# KiCad board Soldermander.kicad_pcb (continued)
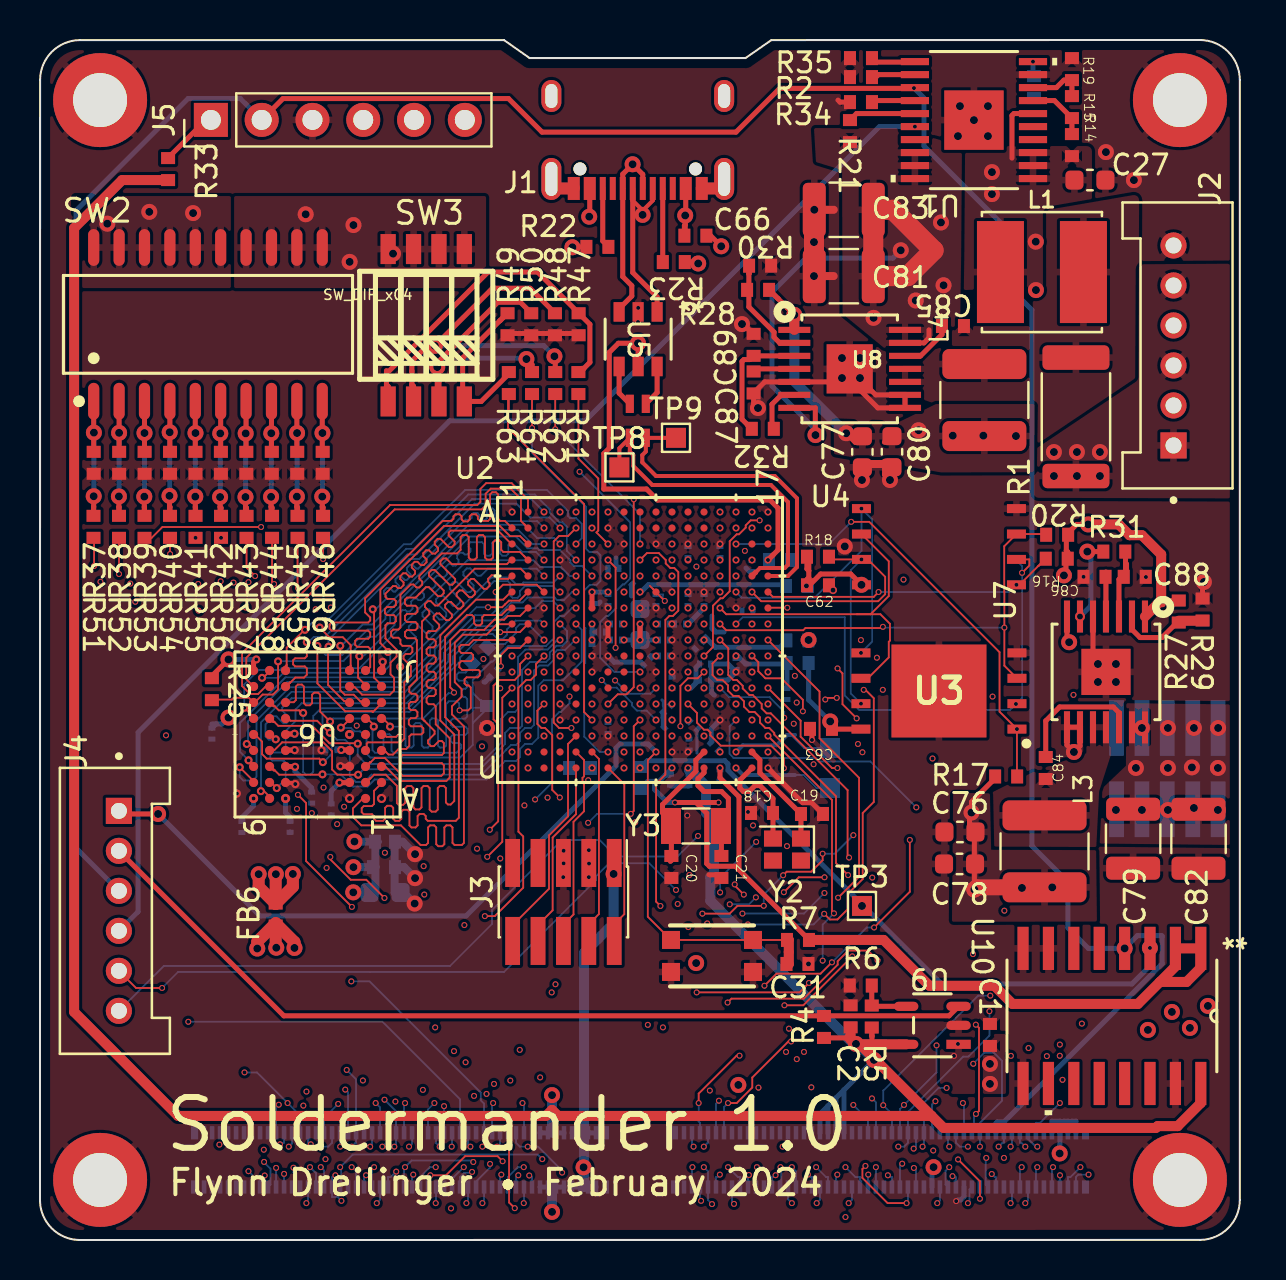
[diagram p0: board, top side]
## Routing (per net, layer and track width the routed paths; a pad name or vN(x,y) marks a point on that pad's centre or on a via; arc(x,y) is an arc through that point) (continued)
EN_LP: length 45.6
  Top w0.25: 39.2,11.21 R4.2 ; 39.2,11.21 45.46,11.21 U9.3 ; 39.2,11.21 12.2,11.21 J4.2
ENET_RGMII_MDC: length 27.4
  In1.Cu w0.09: v1(11.24,3.23) 11.13,3.23 10.84,3.51 10.84,4.8 13.01,6.96 13.01,7.61 20.86,15.46 21.34,15.46 21.96,16.08 21.96,16.53 24.51,19.08 24.51,21.85 24.41,21.96 v1(24.41,23.61)
  Bottom w0.09: J7.85 11.01,3.15 11.16,3.15 v1(11.24,3.23)
ENET_RGMII_MDIO: length 29.3
  In1.Cu w0.09: v1(10.43,3.44) 10.43,5.68 20.5,15.75 v1(21.22,15.75)
  In2.Cu w0.09: v1(25.21,25.21) 25.21,23.99 22.39,21.17 22.22,21.17 21.22,20.17 v1(21.22,15.75)
  Bottom w0.09: v1(10.43,3.44) 10.61,3.26 J7.87
ENET_RGMII_RX_EN: length 33.1
  In2.Cu w0.09: v1(24.13,6.85) 24.14,6.85 27.95,10.67 27.95,23.28 28.72,24.05 28.72,27.54 29.99,28.81 32.44,28.81 32.91,29.28 32.91,32.91 v1(33.21,33.21)
  Bottom w0.09: v1(24.13,6.85) 24.21,6.77 J7.20
ENET_RGMII_RXC: length 80.8
  Top w0.09: v1(33.21,34.01) U2.D13
  In1.Cu w0.09: v1(33.21,34.01) 33.61,34.41 34.05,34.41 34.41,34.76 34.41,34.85 34.78,35.23 44.19,35.23 53.21,26.21 53.21,17.42 53.57,17.05 53.57,2.8 51.43,0.65 28.83,0.65 v1(26.11,3.37)
  Bottom w0.09: v1(26.11,3.37) 26.11,3.46 24.91,4.67 v1(24.39,4.67) 24,4.67 23.81,4.86 J7.22
ENET_RGMII_RXD0: length 84.7
  Top w0.09: v1(23.74,1.59) 23.46,1.88 v1(23.46,4.67) ; v1(31.61,34.01) U2.D11
  In1.Cu w0.09: v1(4.52,32.83) 4.52,34.93 5.78,36.19 5.78,37.29 6.62,38.13 29.01,38.13 31.89,35.25 31.89,34.29 v1(31.61,34.01) ; v1(8.97,4.77) 8.97,4.2 12.11,1.07 23.21,1.07 v1(23.74,1.59)
  In2.Cu w0.09: v1(4.52,32.83) 6.84,30.51 6.84,6.91 v1(8.97,4.77)
  Bottom w0.09: v1(23.46,4.67) 23.41,4.72 J7.24
ENET_RGMII_RXD1: length 33
  In2.Cu w0.09: v1(22.86,4.67) 22.86,5.9 23.48,6.52 23.48,7.22 26.96,10.7 26.96,24 27.89,24.94 27.89,27.39 28.38,27.88 28.38,28.01 28.84,28.47 28.93,28.47 30.5,30.04 30.5,32.1 v1(31.61,33.21)
  Bottom w0.09: v1(22.86,4.67) 23.01,4.82 J7.26
ENET_RGMII_RXD2: length 31.3
  In1.Cu w0.09: v1(22.66,6.85) 22.7,6.89 v1(22.7,7.8)
  In2.Cu w0.09: v1(30.81,33.21) 30.3,32.7 30.3,30.67 30.05,30.42 29.97,30.42 29.61,30.05 29.61,29.93 27.33,27.66 27.33,27.54 26.33,26.54 26.33,25.92 26.28,25.87 26.28,25.34 26.34,25.28 26.34,24.27 23.32,21.24 23.32,19.91 22.72,19.31 22.72,7.82 v1(22.7,7.8)
  Bottom w0.09: v1(22.66,6.85) 22.61,6.79 J7.28
ENET_RGMII_RXD3: length 67.6
  Top w0.09: v1(31.61,34.81) U2.C11
  In1.Cu w0.09: v1(4.76,31.92) 4.8,31.96 4.8,34.34 7.1,36.64 7.1,37.27 7.78,37.95 28.38,37.95 31.52,34.81 v1(31.61,34.81) ; v1(6.3,25.24) 6.3,25.1 10.86,20.54 11.17,20.54 13.18,18.53 13.18,18.16 15.57,15.77 v1(15.57,12.93)
  In2.Cu w0.09: v1(6.3,25.24) 4.76,26.78 v1(4.76,31.92)
  Bottom w0.09: v1(22.12,4.67) 22.21,4.75 J7.30 22.21,6.82 22.05,6.98 22.05,7.37 16.48,12.93 v1(15.57,12.93)
ENET_RGMII_TX_EN_BT: length 67.2
  Top w0.09: v1(34.01,35.61) U2.B14
  In1.Cu w0.09: v1(13.17,6.72) 14.34,5.55 19.11,5.55 v1(19.99,4.67) ; v1(7.78,35.12) 7.78,34.2 v1(9.04,32.94)
  In2.Cu w0.09: v1(7.78,35.12) 8.14,34.76 24.61,34.76 24.94,35.09 33.49,35.09 v1(34.01,35.61) ; v1(13.17,6.72) 12.88,6.43 11.77,6.43 8.85,9.35 8.85,32.76 v1(9.04,32.94)
  Bottom w0.09: J7.42 19.81,4.85 v1(19.99,4.67)
ENET_RGMII_TXC_BT: length 70.9
  Top w0.09: v1(34.01,36.41) U2.A14
  In1.Cu w0.09: v1(7.93,31.47) 8,31.47 9.39,32.87 9.39,34.78 v1(9.05,35.12)
  In2.Cu w0.09: v1(9.05,35.12) 10.04,36.11 33.71,36.11 v1(34.01,36.41) ; v1(19.72,6.85) 18.15,5.28 18.15,4.4 16.66,2.91 13.78,2.91 12.65,4.05 12.07,4.05 7.93,8.18 v1(7.93,31.47)
  Bottom w0.09: v1(19.72,6.85) 19.41,6.53 J7.44
ENET_RGMII_TXD0_BT: length 65.1
  Top w0.09: v1(33.21,34.81) U2.C13 ; v1(6.51,34.31) 6.5,34.31 R54.2
  In1.Cu w0.09: v1(19.22,17.28) 19.03,17.46 16.91,17.46 16.36,18.02 14.25,18.02 10.19,22.07 10.19,22.51 6.51,26.2 v1(6.51,34.31) ; v1(19.15,7.51) 19.47,7.51 20.21,6.77 v1(20.21,6.7)
  In2.Cu w0.09: v1(6.51,34.31) 6.67,34.47 32.87,34.47 v1(33.21,34.81) ; v1(19.22,17.28) 19.27,17.22 19.27,7.63 v1(19.15,7.51)
  Bottom w0.09: v1(20.21,6.7) J7.40
ENET_RGMII_TXD1_BT: length 68.7
  Top w0.09: v1(34.81,36.41) U2.A15 ; R53.2 5.58,35.12 6.12,35.66 v1(11.06,35.66)
  In1.Cu w0.09: v1(11.06,35.66) 9.96,34.56 9.96,28.48 10.78,27.67 10.78,25.43 11.5,24.71 11.5,22.35 14.4,19.44 14.64,19.44 14.71,19.37 v1(17.25,19.37) ; v1(17.77,6.93) 18.31,6.38 19.12,6.38 20.59,4.91 v1(20.59,4.67)
  In2.Cu w0.09: v1(34.81,36.41) 34.33,35.93 11.33,35.93 v1(11.06,35.66) ; v1(17.77,6.93) 17.77,18.84 v1(17.25,19.37)
  Bottom w0.09: J7.38 20.61,4.68 v1(20.59,4.67)
ENET_RGMII_TXD2_BT: length 69.9
  Top w0.09: v1(3.95,33.31) R52.2
  In2.Cu w0.09: v1(7.42,10.91) 7.42,33.49 ; 7.42,33.49 4.14,33.49 v1(3.95,33.31) ; 7.42,33.49 32.12,33.49 v1(32.41,33.21)
  Bottom w0.09: v1(7.42,10.91) 17.13,10.91 21.01,7.04 J7.36
ENET_RGMII_TXD3_BT: length 96.4
  Top w0.09: R51.2 2.68,35.11 2.71,35.08 v1(2.71,33.71) ; v1(30.81,34.01) U2.D10
  In2.Cu w0.09: 3.25,33.72 2.72,33.72 v1(2.71,33.71) ; 3.25,33.72 30.52,33.72 v1(30.81,34.01) ; 3.25,33.72 3.31,33.66 3.31,27.79 6.19,24.92 6.4,24.92 6.6,25.11 6.6,30.49 4.55,32.54 4.4,32.54 4.23,32.71 4.23,32.95 4.4,33.11 4.65,33.11 7.06,30.7 7.06,7.22 10.92,3.36 10.92,2.89 12.26,1.55 19.9,1.55 20.69,2.34 20.69,3.84 v1(21.52,4.67)
  Bottom w0.09: J7.34 21.41,4.79 v1(21.52,4.67)
FlexSPI_A_CLK: length 18
  Top w0.09: 40.85,31.29 41.53,31.29 ; 40.85,31.29 34.32,31.29 v1(34.01,31.61) ; 40.85,31.29 41.53,31.29 ; 41.53,31.29 42.45,32.21 42.45,33.94 U4.6 ; 41.53,31.29 42.03,31.29 42.51,30.82 42.51,29.98 42.45,29.92 42.45,29.14 41.4,28.09 U3.6
FlexSPI_A_D0: length 17.1
  Bottom w0.09: v1(34.81,32.41) 35.09,32.12 38.74,32.12 41.08,34.46 v1(41.08,36.58) 41.62,36.04 41.62,29.92 v1(41.06,29.36)
FlexSPI_A_D1: length 27.5
  Top w0.09: U3.2 48.84,26.81 v1(48.81,26.81) ; U4.2 49.48,34.04 49.48,33.73 v1(49.11,33.37)
  Bottom w0.09: v1(49.11,33.37) 49.12,33.37 ; 49.12,33.37 49.12,27.12 v1(48.81,26.81) 48.51,26.51 40.97,26.51 40.25,27.23 40.25,31.15 35.15,31.15 v1(34.81,30.81) ; 49.12,33.37 49.12,33.7 48.81,34.01
FlexSPI_A_D2: length 23.7
  Top w0.09: U3.3 48.23,28.72 v1(48.23,30.63) 48.23,32.41 48.22,32.41 48.22,34.7 U4.3 50.27,35.31 50.29,35.29 ; 50.29,35.29 50.31,35.27 ; 50.29,35.29 50.3,35.29 R20.2 ; v1(42.15,30.67) 42.09,30.61 38.28,30.61 38.17,30.49 34.32,30.49 v1(34.01,30.81)
  Bottom w0.09: v1(48.23,30.63) 42.19,30.63 v1(42.15,30.67)
FlexSPI_A_D3: length 18.7
  Top w0.09: R18.2 39.59,34.04 v1(41.08,34.04) 41.4,34.04 42.27,33.17 42.27,32.3 41.92,31.95 36.07,31.95 v1(35.61,32.41)
  Bottom w0.09: v1(41.08,34.04) 40.55,33.5 40.55,27.33 v1(41.06,26.82)
FlexSPI_A_SS0: length 15.6
  Top w0.09: 36.46,32.35 36.52,32.29 ; 36.46,32.35 36.52,32.29 ; 36.46,32.35 36.43,32.38 ; 36.46,32.35 36.43,32.38 ; 36.52,32.29 36.65,32.17 41.7,32.17 v1(41.94,32.41) ; 49.93,33.71 48.98,32.77 v1(48.83,32.77) 48.74,32.86 ; 49.93,33.71 50.29,34.07 ; 49.93,33.71 49.94,33.71 R16.2 ; 36.43,32.38 U2.F17 36.43,32.38
  Bottom w0.09: v1(41.94,32.41) 48.47,32.41 v1(48.83,32.77)
FlexSPI_A_SS1: length 22.9
  Top w0.09: 48.87,23.19 48.88,23.18 ; 48.87,23.19 48.86,23.2 v1(48.86,25.55) 47.99,26.42 47.99,29.4 41.47,35.92 v1(40.57,35.92) ; 48.87,23.19 R17.2 ; v1(34.81,34.81) U2.C15
  Bottom w0.09: v1(40.57,35.92) 39.46,34.81 v1(34.81,34.81)
GPIO_AD_00: length 33
  Top w0.09: v1(45.91,4.03) 47.01,2.93 v1(47.01,2.06) ; v1(37.2,23.6) 37.2,24.08 36.56,24.72 34.05,24.72 33.53,25.24 33.53,25.38 33.38,25.52 33.21,25.52 32.85,25.87 32.85,26.36 v1(32.41,26.81)
  In1.Cu w0.09: v1(37.2,23.6) 37.2,22.79 41.62,18.37 v1(41.62,18.12)
  In2.Cu w0.09: v1(41.62,18.12) 45.21,14.54 45.21,9.21 45.41,9.01 45.41,8 45.64,7.77 45.64,4.96 45.91,4.69 v1(45.91,4.03)
  Bottom w0.09: v1(47.01,2.06) J6.25
GPIO_AD_01: length 35
  In1.Cu w0.09: v1(48.23,16.47) 44.94,16.47 37.41,24.01 35.61,24.01 34.75,24.87 34.34,24.87 v1(34.01,25.21)
  In2.Cu w0.09: v1(48.23,16.47) 48.23,16.47 48.23,6.13 47.61,5.51 47.61,4.08 47.91,3.77 47.91,2.51 47.08,1.68 46.57,1.68 v1(46.4,1.84)
  Bottom w0.09: J6.27 46.48,2.53 46.48,1.92 v1(46.4,1.84)
GPIO_AD_02: length 28.8
  In1.Cu w0.09: v1(45.63,3.19) 45.81,3.37 45.81,3.73 44.96,4.58 44.96,4.59 33.72,15.83 v1(33.37,15.83)
  In2.Cu w0.09: v1(33.37,15.83) 33.41,15.88 33.41,16.5 33.02,16.89 33.02,17.91 33.11,18 33.11,19.31 32.61,19.81 32.61,20.58 33.21,21.18 v1(33.21,25.21)
  Bottom w0.09: J6.31 45.81,3.15 45.67,3.15 v1(45.63,3.19)
GPIO_AD_03: length 47.4
  In1.Cu w0.09: v1(52.1,10.82) 52.1,13.53 43.99,21.63 v1(43.82,21.63)
  In2.Cu w0.09: v1(52.1,10.82) 52.76,10.16 52.76,3.17 50.66,1.06 45.17,1.06 44.55,1.69 44.55,2.72 v1(45.47,3.64)
  Bottom w0.09: v1(43.82,21.63) 41.53,23.93 38.96,23.93 38.78,24.1 34.69,24.1 34.49,24.3 34.49,25.69 v1(34.81,26.01) ; v1(45.47,3.64) 45.28,3.46 45.28,2.77 J6.33
GPIO_AD_04: length 47.1
  In1.Cu w0.09: v1(44.63,24.08) 42.44,24.08 40.55,25.97 40.55,26.06 39.79,26.83 39.73,26.83 39.56,26.99 39.56,27.15 37.2,29.51 35.61,29.51 35.3,29.81 35.3,29.92 34.85,30.37 33.98,30.37 33.49,30.85 33.49,30.92 33.32,31.09 33.09,31.09 32.92,30.92 32.92,30.69 33.09,30.52 33.16,30.52 33.54,30.14 33.54,29.27 33.89,28.92 34.74,28.92 35.14,28.52 35.14,28.26 34.8,27.93 33.53,27.93 v1(33.21,27.61)
  In2.Cu w0.09: v1(44.87,1.84) 46.7,3.68 46.7,5.29 48.05,6.63 48.05,16.24 47.94,16.35 47.94,20.77 v1(44.63,24.08)
  Bottom w0.09: J6.35 45.01,1.98 v1(44.87,1.84)
GPIO_AD_06: length 31.6
  In1.Cu w0.09: v1(33.21,26.81) 33.67,26.34 36.48,26.34 37,25.82 v1(37.69,25.82)
  In2.Cu w0.09: v1(37.69,25.82) 38.02,25.49 38.02,17.05 37.66,16.69 37.66,12.47 38.05,12.08 38.05,11.44 38.9,10.59 38.9,7.63 43.19,3.34 43.44,3.34 v1(43.7,3.6)
  Bottom w0.09: J6.41 43.81,3.5 v1(43.7,3.6)
GPIO_AD_07: length 26.9
  Top w0.09: v1(43.34,1.84) 42.39,1.84 41.13,3.11 41.13,3.55 v1(41.28,3.71)
  In2.Cu w0.09: v1(36.41,24.41) 36.76,24.05 36.76,8.23 v1(41.28,3.71)
  Bottom w0.09: v1(43.34,1.84) 43.41,1.91 J6.43
GPIO_AD_08: length 29
  In1.Cu w0.09: v1(34.81,25.21) 35.14,24.87 37.6,24.87 v1(38.68,23.79)
  In2.Cu w0.09: v1(43.12,3.82) 43.21,3.91 43.21,4.79 43.55,5.13 43.55,6.89 42.55,7.89 41.95,7.89 39.01,10.84 39.01,12.71 38.51,13.21 38.11,13.21 38.02,13.29 38.02,16.54 38.38,16.9 38.38,23.49 v1(38.68,23.79)
  Bottom w0.09: v1(43.12,3.82) 43.01,3.71 J6.45
GPIO_AD_09: length 26.6
  In1.Cu w0.09: v1(35.66,20.73) 36.32,20.73 v1(37.36,19.7) ; v1(37.45,10.57) 38.21,9.82 v1(38.21,9.41)
  In2.Cu w0.09: v1(42.4,3.24) 42.4,3.45 38.62,7.24 38.54,7.24 38.22,7.55 38.22,9.39 v1(38.21,9.41) ; v1(35.66,20.73) 35.71,20.78 35.71,25.11 v1(35.61,25.21) ; v1(37.45,10.57) 37.51,10.63 37.51,11.86 37.12,12.25 37.12,16.91 37.48,17.27 37.48,18.87 37.01,19.35 v1(37.36,19.7)
  Bottom w0.09: v1(42.4,3.24) 42.49,3.15 42.61,3.15 J6.47
GPIO_AD_10: length 28.8
  Top w0.09: v1(39.7,16.34) 39.61,16.43 39.61,22.01 v1(36.41,25.21)
  In1.Cu w0.09: v1(41.8,3.64) 42.42,4.26 44.45,4.26 v1(44.67,4.47)
  In2.Cu w0.09: v1(39.14,13.97) 39.14,13.95 44.34,8.74 44.34,6.55 44.67,6.22 v1(44.67,4.47)
  Bottom w0.09: J6.51 41.81,3.64 v1(41.8,3.64) ; v1(39.14,13.97) 39.14,15.77 v1(39.7,16.34)
GPIO_AD_11: length 26.3
  In2.Cu w0.09: v1(35.61,26.01) 35.27,25.67 35.27,23.41 35.11,23.25 35.11,19.81 36.52,18.4 36.52,8.05 41.3,3.27 v1(41.42,3.27)
  Bottom w0.09: J6.53 41.41,3.26 v1(41.42,3.27)
GPIO_AD_12: length 25.7
  In1.Cu w0.09: v1(37.85,9.05) 40.28,6.61 v1(40.28,3.64)
  In2.Cu w0.09: v1(37.85,9.05) 37.85,9.05 37.85,10.87 37.69,11.02 37.69,11.93 37.3,12.32 37.3,16.84 37.66,17.2 37.66,24.75 v1(36.41,26.01)
  Bottom w0.09: v1(40.28,3.64) 40.77,3.15 41.01,3.15 J6.55
GPIO_AD_13: length 59.8
  Top w0.09: v1(40.84,26.09) 40.13,26.8 40.13,28.34 v1(39.88,28.58)
  In1.Cu w0.09: v1(32.41,28.41) 32.73,28.73 32.73,31 33.05,31.31 37.91,31.31 39.88,29.34 v1(39.88,28.58) ; v1(40.84,26.09) 40.84,26.09 43.98,26.09 53.16,16.91 53.16,2.97 51.34,1.15 v1(40.28,1.15)
  In2.Cu w0.09: v1(40.44,1.84) 40.44,1.31 v1(40.28,1.15)
  Bottom w0.09: v1(40.44,1.84) 40.61,2.01 J6.57
GPIO_AD_14: length 30
  In1.Cu w0.09: v1(39.87,3.27) 39.87,6.75 38.7,7.93 36.24,7.93 v1(35.93,7.62)
  In2.Cu w0.09: v1(35.93,7.62) 35.72,7.83 35.72,17.06 v1(35.8,17.14) ; v1(34.49,16.79) 34.3,16.98 34.3,26.51 v1(34.01,26.81)
  Bottom w0.09: J6.61 39.81,3.2 v1(39.87,3.27) ; v1(34.49,16.79) 35.45,16.79 v1(35.8,17.14)
GPIO_AD_15: length 28.7
  In1.Cu w0.09: v1(38.81,3.64) 38.57,3.88 v1(38.57,7.64)
  In2.Cu w0.09: v1(37.22,26.12) 37.22,25.89 37.84,25.26 37.84,17.13 37.48,16.76 37.48,12.4 37.87,12.01 37.87,11.34 38.59,10.62 38.59,7.65 v1(38.57,7.64)
  Bottom w0.09: v1(34.01,27.61) 34.46,27.15 36.48,27.15 37.22,26.41 v1(37.22,26.12) ; J6.63 39.41,3.15 39.31,3.15 v1(38.81,3.64)
GPIO_AD_16: length 49.5
  In1.Cu w0.09: v1(36.41,26.81) 37.13,26.81 37.96,25.97 38.13,25.97 42.18,21.92 47.56,21.92 52.77,16.71 52.77,3.11 52.01,2.35 39.35,2.35 v1(38.84,1.84)
  Bottom w0.09: J6.65 39.01,2.01 v1(38.84,1.84)
GPIO_AD_17: length 26.4
  In1.Cu w0.09: v1(38.4,3.27) 37.14,4.54 v1(37.14,4.67)
  In2.Cu w0.09: v1(34.81,26.81) 34.51,26.51 34.51,18.43 35.09,17.85 35.09,17.66 34.8,17.37 34.8,11.1 34.65,10.94 34.65,8.94 35.49,8.1 35.49,7.57 37.14,5.92 v1(37.14,4.67)
  Bottom w0.09: v1(38.4,3.27) 38.52,3.15 38.61,3.15 J6.67
GPIO_AD_18: length 26.7
  In2.Cu w0.09: v1(37.6,3.64) 37.6,6.36 35.91,8.05 35.91,16.83 36.09,17.02 36.09,18.11 34.91,19.3 34.91,23.3 35.09,23.49 35.09,26.92 35.01,27.01 v1(35.61,27.61)
  Bottom w0.09: v1(37.6,3.64) 37.81,3.44 J6.71
GPIO_AD_19: length 53
  In1.Cu w0.09: v1(37.6,1.84) 37.89,1.56 51.49,1.56 52.97,3.04 52.97,16.77 46.74,23 43.26,23 40.37,25.89 40.37,25.98 39.71,26.65 39.65,26.65 39.57,26.73 37.99,26.73 v1(37.84,26.88)
  In2.Cu w0.09: v1(37.84,26.88) 36.61,28.11 35.91,28.11 v1(35.61,28.41)
  Bottom w0.09: J6.73 37.41,2.04 v1(37.6,1.84)
GPIO_AD_20: length 51.7
  Top w0.09: v1(33.21,29.21) 33.65,29.65 33.65,31.72 34.03,32.09 34.14,32.09 34.49,32.45 34.49,34.94 34.84,35.29 34.96,35.29 35.29,35.63 35.29,35.74 35.54,35.99 v1(35.99,35.99) ; v1(39.6,13.89) 39.03,13.32 36.83,13.32 v1(36.23,12.72) ; v1(43.5,20.01) 43.5,17.41 v1(41.71,15.63)
  In2.Cu w0.09: v1(35.99,35.99) 36.68,35.99 39.99,32.68 39.99,32.12 43.5,28.61 v1(43.5,20.01) ; v1(36.23,12.72) 36.23,8.01 37.93,6.31 37.93,3.53 37.7,3.31 37.36,3.31 v1(37.03,3.64)
  Bottom w0.09: J6.75 37.07,2.72 37.07,3.6 v1(37.03,3.64) ; v1(41.71,15.63) 41.34,15.63 v1(39.6,13.89)
GPIO_AD_21: length 42.1
  Top w0.09: v1(34.39,11.88) 34.58,12.07 38.19,12.07 39.89,13.77 39.89,13.94 40.42,14.48 41.4,14.48 v1(41.89,13.99) ; v1(34.01,29.21) 33.63,28.83 33.63,28.25 33.87,28.01 34.14,28.01 34.41,27.74 34.41,27.47 34.67,27.21 34.94,27.21 35.21,26.94 35.21,26.67 35.47,26.41 35.74,26.41 36.01,26.14 36.01,25.87 36.27,25.61 36.47,25.61 36.72,25.36 36.72,25.27 39.81,22.19 39.81,18.85 v1(40.41,18.25)
  In1.Cu w0.09: v1(34.39,11.88) 32.38,9.87 32.38,4.51 32.5,4.38 35.64,4.38 v1(36.79,3.24)
  In2.Cu w0.09: v1(40.41,18.25) 40.41,15.46 v1(41.89,13.99)
  Bottom w0.09: v1(36.79,3.24) 36.7,3.15 36.61,3.15 J6.77
GPIO_AD_22: length 74.5
  In1.Cu w0.09: v1(51.68,27.26) 48.92,30.02 41.66,30.02 39.32,32.36 39.32,32.69 38.29,33.72 36.18,33.72 36.06,33.84 36.06,33.96 35.72,34.29 35.49,34.29 35.35,34.15 35.12,34.15 34.94,34.32 34.7,34.32 34.52,34.14 34.52,34.04 34.16,33.68 v1(32.83,33.68)
  In2.Cu w0.09: v1(32.83,33.68) 32.71,33.56 32.71,29.51 v1(32.41,29.21) ; v1(35.45,3.25) 37.84,0.86 50.76,0.86 56.05,6.15 56.05,19.66 54.51,21.21 54.51,21.81 53.67,22.64 53.67,25.27 v1(51.68,27.26)
  Bottom w0.09: v1(35.45,3.25) 35.41,3.21 J6.83
GPIO_AD_23: length 37.5
  In1.Cu w0.09: v1(32.48,18.26) 32.48,18.78 27.96,23.3 27.48,23.3 26.55,24.23 26.55,25.07 26.25,25.37 26.25,25.69 26.47,25.9 26.47,26.18 27.59,27.3 28.56,27.3 29.27,28.01 30.05,28.01 30.41,28.36 30.41,28.45 30.76,28.81 30.93,28.81 31.18,29.06 31.18,29.2 31.59,29.61 32.01,29.61 v1(32.41,30.01) ; v1(32.42,15.65) 32.16,15.39 32.16,4.45 32.61,4 35.49,4 v1(35.85,3.64)
  In2.Cu w0.09: v1(32.48,18.26) 32.48,15.71 v1(32.42,15.65)
  Bottom w0.09: J6.81 35.81,3.6 v1(35.85,3.64)
GPIO_AD_26: length 32.3
  In2.Cu w0.09: v1(34.01,28.41) 33.49,27.89 33.03,27.89 32.74,27.6 32.74,27.52 32.32,27.09 32.23,27.09 31.89,26.75 31.89,26.69 31.72,26.52 31.66,26.52 31.31,26.17 31.31,25.67 31.44,25.54 31.76,25.54 31.94,25.36 31.94,22.79 31.45,22.3 31.45,3.17 33.13,1.48 34.38,1.48 v1(34.71,1.81)
  Bottom w0.09: J6.87 34.61,1.91 v1(34.71,1.81)
GPIO_AD_27: length 26.1
  In2.Cu w0.09: v1(34.01,17.38) 34.01,7.9 34.71,7.2 34.71,3.48 34.5,3.27 v1(34,3.27) ; v1(35.61,26.81) 35.97,26.44 35.97,20.06 v1(35.81,19.91)
  Bottom w0.09: v1(34.01,17.38) 34.01,18.11 v1(35.81,19.91) ; v1(34,3.27) 33.88,3.15 33.81,3.15 J6.91
GPIO_AD_28: length 59.2
  Top w0.09: v1(39.27,27.03) 39.35,27.11 v1(39.84,27.11)
  In1.Cu w0.09: v1(33.61,1.8) 33.95,2.14 36.6,2.14 37.89,0.85 51.3,0.85 53.39,2.94 53.39,16.98 44.1,26.27 41.13,26.27 40.68,26.72 40.24,26.72 v1(39.84,27.11) ; v1(39.27,27.03) 38.41,27.89 36.92,27.89 v1(36.41,28.41)
  Bottom w0.09: v1(33.61,1.8) 33.41,2 J6.93 33.41,3.43 v1(33.2,3.64)
GPIO_AD_29: length 36.2
  Top w0.09: v1(39.88,23.6) 39.61,23.6 38.04,25.17 38.04,25.97 v1(36.41,27.61)
  In1.Cu w0.09: v1(31.89,16.81) 32.09,16.61 34.27,16.61 34.37,16.5 34.61,16.5 34.71,16.61 34.85,16.61 v1(35.13,16.32)
  In2.Cu w0.09: v1(33.06,1.96) 31.89,3.13 v1(31.89,16.81) ; v1(39.23,17.35) 39.84,17.96 39.84,23.57 v1(39.88,23.6)
  Bottom w0.09: v1(39.23,17.35) 38.2,16.32 v1(35.13,16.32) ; v1(33.06,1.96) 33.01,2.01 J6.95
GPIO_AD_30: length 29.5
  In2.Cu w0.09: v1(32.63,3.64) 32.13,4.13 32.13,15.77 32.19,15.82 32.19,18.89 32.08,19 32.08,21.35 32.71,21.97 32.71,26.75 33.16,27.21 33.29,27.21 33.5,27.42 33.5,27.53 33.97,28.01 34.05,28.01 34.41,28.36 34.41,28.49 34.73,28.81 36.01,28.81 v1(36.41,29.21)
  Bottom w0.09: v1(32.63,3.64) 32.61,3.62 J6.97
GPIO_AD_31: length 31.1
  Top w0.09: v1(40.62,14.19) 38.17,11.74 v1(37.23,11.74) ; v1(36.41,30.01) 38.98,27.43 38.98,25.09 40.96,23.11 40.96,18.17 v1(39.91,17.12) ; v1(37.56,9.93) 37.42,9.93 35.62,8.13 35.62,7.63 34.84,6.85 v1(34.41,6.85)
  In2.Cu w0.09: v1(40.62,14.19) 39.99,14.81 39.99,17.04 v1(39.91,17.12) ; v1(37.23,11.74) 37.17,11.68 37.17,10.32 v1(37.56,9.93)
  Bottom w0.09: v1(34.41,6.85) 34.21,6.65 J6.90
GPIO_AD_32: length 33.5
  Top w0.09: v1(39.14,19.32) 39.14,18.99 38.57,18.42 37.34,18.42 v1(37.16,18.24) ; 35.61,29.21 35.92,28.9 35.92,28.45 36.27,28.09 37.07,28.09 38.15,27.02 v1(38.15,26.44) ; 35.61,29.21 U2.K16 ; 35.61,29.21 v1(35.61,29.22) ; v1(33.13,16.32) 34.49,16.32 34.88,16.71 v1(36.19,16.71)
  In1.Cu w0.09: v1(38.15,26.44) 38.17,26.44 39.81,24.81 v1(40.91,24.81) ; v1(33.5,7.47) 33.95,7.02 v1(33.95,6.97)
  In2.Cu w0.09: v1(33.13,16.32) 33.08,16.27 33.08,15.64 33.5,15.22 v1(33.5,7.47) ; v1(40.67,20.25) 40.8,20.37 40.8,24.7 v1(40.91,24.81)
  Bottom w0.09: v1(40.67,20.25) 39.75,19.32 v1(39.14,19.32) ; J6.92 33.81,6.82 v1(33.95,6.97) ; v1(36.19,16.71) 36.19,17.27 v1(37.16,18.24)
GPIO_AD_33: length 34.2
  Top w0.09: v1(32.84,12.38) 37.98,12.38 v1(38.45,12.85)
  In2.Cu w0.09: v1(38.45,12.85) 38.16,12.85 37.84,13.17 37.84,16.61 38.2,16.98 38.2,25.56 37.98,25.79 37.98,25.86 38.44,26.32 38.44,26.56 38.27,26.73 38.27,27.27 37.2,28.34 37.2,30.01 v1(36.41,30.81) ; v1(33.2,4.67) 33.27,4.74 33.27,7.3 32.84,7.73 v1(32.84,12.38)
  Bottom w0.09: v1(33.2,4.67) 33.39,4.86 33.41,4.86 J6.94
GPIO_AD_34: length 37.4
  Top w0.09: v1(34.98,9.22) 34.83,9.22 32.94,7.32 v1(32.94,6.85) ; v1(39.22,16.31) 39.5,16.03 39.88,16.03 40.39,16.54 40.39,17.3 41.14,18.05 41.14,21.35 41.7,21.91 41.7,27.09 41.28,27.51 v1(41.19,27.51)
  In1.Cu w0.09: v1(35.61,30.01) 35.3,30.31 35.3,30.93 35.49,31.12 35.74,31.12 36.12,30.74 36.12,30.69 36.33,30.47 37.19,30.47 40.15,27.51 v1(41.19,27.51)
  In2.Cu w0.09: v1(35.4,15.78) 35.4,9.63 v1(34.98,9.22)
  Bottom w0.09: J6.96 33.01,5.86 32.94,5.93 v1(32.94,6.85) ; v1(39.22,16.31) 38.69,15.78 v1(35.4,15.78)
GPIO_AD_35: length 33.5
  Top w0.09: v1(37.2,17.39) 37.95,18.14 v1(39.23,18.14) ; U2.G17 36.42,31.62 v1(37.37,31.62)
  In1.Cu w0.09: v1(37.31,9.4) 35.62,7.72 35.62,7.6 v1(32.68,4.67)
  In2.Cu w0.09: v1(37.31,9.4) 36.94,9.77 36.94,17.13 v1(37.2,17.39) ; v1(39.23,18.14) 39.43,18.33 39.43,24.39 39.31,24.51 39.31,25.37 38.98,25.69 38.98,30.25 37.61,31.62 v1(37.37,31.62)
  Bottom w0.09: v1(32.68,4.67) 32.61,4.75 J6.98
GPIO_DISP_B2_00: length 59.1
  Top w0.09: R57.2 10.33,33.63 v1(10.76,33.21)
  In1.Cu w0.09: v1(18.45,4.67) 18.75,4.37 20.17,4.37 20.29,4.49 20.29,4.86 19.01,6.13 14.62,6.13 v1(13.33,7.42)
  In2.Cu w0.09: v1(13.33,7.42) 13.32,7.43 13.32,19.76 11.5,21.58 11.5,24.52 11.4,24.61 11.4,26.78 10.44,27.74 10.44,31.37 10.76,31.69 v1(10.76,33.21) 11.71,33.21 11.99,32.92 11.99,32.89 28.94,32.89 29.21,33.16 v1(29.21,33.21)
  Bottom w0.09: v1(18.45,4.67) 18.61,4.82 J7.48
GPIO_DISP_B2_01: length 49.5
  Top w0.09: v1(11.71,32.81) 11.6,32.91 R58.2
  In2.Cu w0.09: 23.75,32.06 23.75,29.88 18.01,24.15 18.01,7.09 v1(18.25,6.85) ; 23.75,32.06 12.46,32.06 v1(11.71,32.81) ; 23.75,32.06 28.86,32.06 v1(29.21,32.41)
  Bottom w0.09: v1(18.25,6.85) 18.21,6.8 J7.50
GPIO_DISP_B2_02: length 51.1
  Top w0.09: v1(17.23,17.1) 16.31,18.02 15.54,18.02 14.52,19.04 v1(14.52,19.16) ; R59.2 12.88,32.63 v1(12.91,32.6)
  In1.Cu w0.09: v1(12.91,32.6) 12.91,32.43 v1(13.79,31.54)
  In2.Cu w0.09: v1(12.91,32.6) 13,32.69 29.49,32.69 v1(30.01,33.21) ; v1(14.52,19.16) 14.52,24.84 13.73,25.63 13.73,28.47 12.9,29.3 12.9,30.66 v1(13.79,31.54) ; v1(17.23,17.1) 17.23,7.02 v1(17.23,7.02)
  Bottom w0.09: v1(17.72,4.67) 17.81,4.75 J7.52 17.81,6.44 v1(17.23,7.02)
GPIO_DISP_B2_03: length 53.5
  Top w0.09: U2.D7 v1(28.41,34.01) 28.78,33.63 v1(28.78,29.61) ; v1(14.16,34.06) R60.2
  In1.Cu w0.09: v1(22.1,24.69) 22.22,24.69 23.02,25.49 v1(23.02,27.59)
  In2.Cu w0.09: v1(14.16,34.06) 14.39,34.29 28.12,34.29 v1(28.41,34.01) ; v1(22.1,24.69) 20.05,22.63 20.05,7.92 17.12,4.99 v1(17.12,4.67) ; v1(23.02,27.59) 23.02,27.68 23.41,28.07 23.68,28.07 24.07,28.46 24.07,29.29 24.39,29.61 v1(28.78,29.61)
  Bottom w0.09: J7.54 17.41,4.86 17.31,4.86 v1(17.12,4.67)
GPIO_DISP_B2_04: length 44.1
  Top w0.09: R61.2 26.93,39.08 27.92,38.08 27.92,35.48 27.83,35.39 28.25,34.96 ; 28.25,34.96 U2.C7 ; 28.25,34.96 v1(28.41,34.81)
  In1.Cu w0.09: v1(22.17,29.06) 22.17,30.02 23.24,31.08 23.52,31.08 25.61,33.16 25.61,33.26 25.89,33.54 27.56,33.54 28.09,34.07 28.09,34.49 v1(28.41,34.81)
  In2.Cu w0.09: v1(16.79,6.85) 16.8,6.86 16.8,8.25 16.73,8.32 16.73,23.89 21.89,29.06 v1(22.17,29.06)
  Bottom w0.09: J7.56 17.01,6.63 v1(16.79,6.85)
GPIO_DISP_B2_05: length 57
  Top w0.09: v1(25.77,40.55) R62.2 ; v1(30.01,34.81) U2.C9
  In1.Cu w0.09: v1(14.54,31.63) 18.19,35.28 27.75,35.28 27.91,35.44 27.91,36.37 28.24,36.69 28.58,36.69 30.01,35.27 v1(30.01,34.81)
  In2.Cu w0.09: v1(14.54,31.63) 15.61,30.57 15.61,28.79 16.17,28.23 16.17,25.67 16.48,25.36 16.48,8.31 16.62,8.17 16.62,7.78 16.48,7.64 16.48,4.7 v1(16.51,4.67)
  Bottom w0.09: v1(30.01,34.81) 30.01,36.31 25.77,40.55 v1(25.77,40.55) ; J7.58 16.61,4.76 v1(16.51,4.67)
GPIO_DISP_B2_06: length 42.1
  Top w0.09: v1(27.61,34.81) U2.C6 ; v1(15.6,16.66) 13.31,18.95 13.31,21.86 v1(12.9,22.26)
  In1.Cu w0.09: v1(27.61,34.81) 27.32,35.09 21.38,35.09 12.81,26.52 12.81,25.73 13.13,25.41 13.13,22.5 v1(12.9,22.26)
  In2.Cu w0.09: v1(15.6,16.66) 15.28,16.34 15.28,8.56 v1(15.34,8.51)
  Bottom w0.09: v1(15.34,8.51) 15.81,8.04 J7.62 15.81,4.86 15.78,4.86 v1(15.59,4.67)
GPIO_DISP_B2_07: length 36.6
  Top w0.09: v1(27.61,34.01) U2.D6
  In1.Cu w0.09: v1(15.84,25.72) 22.2,32.08 22.91,32.08 24.55,33.72 27.32,33.72 v1(27.61,34.01)
  In2.Cu w0.09: v1(15.84,25.72) 16.3,25.27 16.3,24.19 15.36,23.26 15.36,22.77 14.92,22.33 14.92,21.14 15.15,20.92 15.15,20.68 15.05,20.59 15.05,7.73 v1(15.27,7.52)
  Bottom w0.09: J7.64 15.41,7.38 v1(15.27,7.52)
GPIO_DISP_B2_08: length 37.9
  Top w0.09: U2.B5 v1(26.81,35.61) 26.41,35.21 25.96,35.21 25.69,34.94 25.69,25.87 25.96,25.61 v1(26.58,25.61)
  In1.Cu w0.09: v1(16.15,7.98) 25.38,17.21 v1(25.38,22.12)
  In2.Cu w0.09: v1(26.58,25.61) 26.57,25.61 26.57,23.32 v1(25.38,22.12) ; v1(16.15,7.98) 15.63,7.46 15.63,5.29 v1(15.01,4.67)
  Bottom w0.09: J7.66 15.01,4.67 v1(15.01,4.67)
GPIO_DISP_B2_09: length 39.7
  Top w0.09: v1(29.21,34.01) U2.D8
  In1.Cu w0.09: v1(14.18,22.63) 14.55,22.99 14.55,23.74 14.92,24.11 15.66,24.11 17.1,25.55 17.1,25.78 20.03,28.71 22.24,28.71 22.69,29.16 22.69,29.5 25.89,32.69 27.52,32.69 27.94,33.12 27.94,33.2 28.26,33.53 28.73,33.53 v1(29.21,34.01)
  In2.Cu w0.09: v1(14.05,4.67) 14.04,4.68 14.04,22.49 v1(14.18,22.63)
  Bottom w0.09: v1(14.05,4.67) 14.41,4.67 14.61,4.86 J7.68
GPIO_DISP_B2_10: length 44
  Top w0.09: v1(31.03,16.71) 30.81,16.92 30.81,22.81 31.27,23.27 31.27,31.01 31.47,31.21 31.65,31.21 31.92,31.48 31.92,33.41 31.72,33.61 31.52,33.61 31.29,33.84 31.29,34.01 30.94,34.35 30.35,34.35 v1(30.01,34.01) U2.D9
  In1.Cu w0.09: v1(31.03,16.71) 29.22,18.51 29.22,18.53 28.91,18.84 28.46,18.84 27.86,18.24 27.86,18.13 27.53,17.8 26.45,17.8 16.3,7.64 15.63,7.64 15.63,7.64 15.63,7.4 15.46,7.24 15.14,7.24 14.91,7.01 v1(14.91,6.81)
  Bottom w0.09: J7.70 14.21,6.1 v1(14.91,6.81)
GPIO_DISP_B2_11: length 57.6
  Top w0.09: v1(27.61,36.41) U2.A6
  In1.Cu w0.09: v1(27.61,36.41) 26.29,37.72 13.88,37.72 13.48,37.32 13.48,37 13.09,36.61 8.86,36.61 7.48,35.23 7.48,33.24 v1(7.91,32.81) ; v1(11.19,4.52) 11.37,4.34 13.09,4.34 v1(13.54,4.79)
  In2.Cu w0.09: v1(7.91,32.81) 7.64,32.53 7.64,11.1 7.7,11.03 7.7,8.01 v1(11.19,4.52)
  Bottom w0.09: J7.74 13.41,4.86 13.47,4.86 v1(13.54,4.79)
GPIO_DISP_B2_12: length 51.3
  Top w0.09: U2.B6 v1(27.6,35.6)